# Altium PCB betrusted_dvt1b-dfm.PcbDoc (part 4 of 6)
Units mm, origin at the board's own origin, x right, y up, seen from the top; angles counter-clockwise.
Board outline 62.8 x 53.83 mm, 6 copper layers (L1, L2, L3, L6, L7, L8), stack 0.693 mm thick; 407 components, 299 nets, 1950 pads, 2038 vias.
Unrouted connection lines stored in the file: 1.
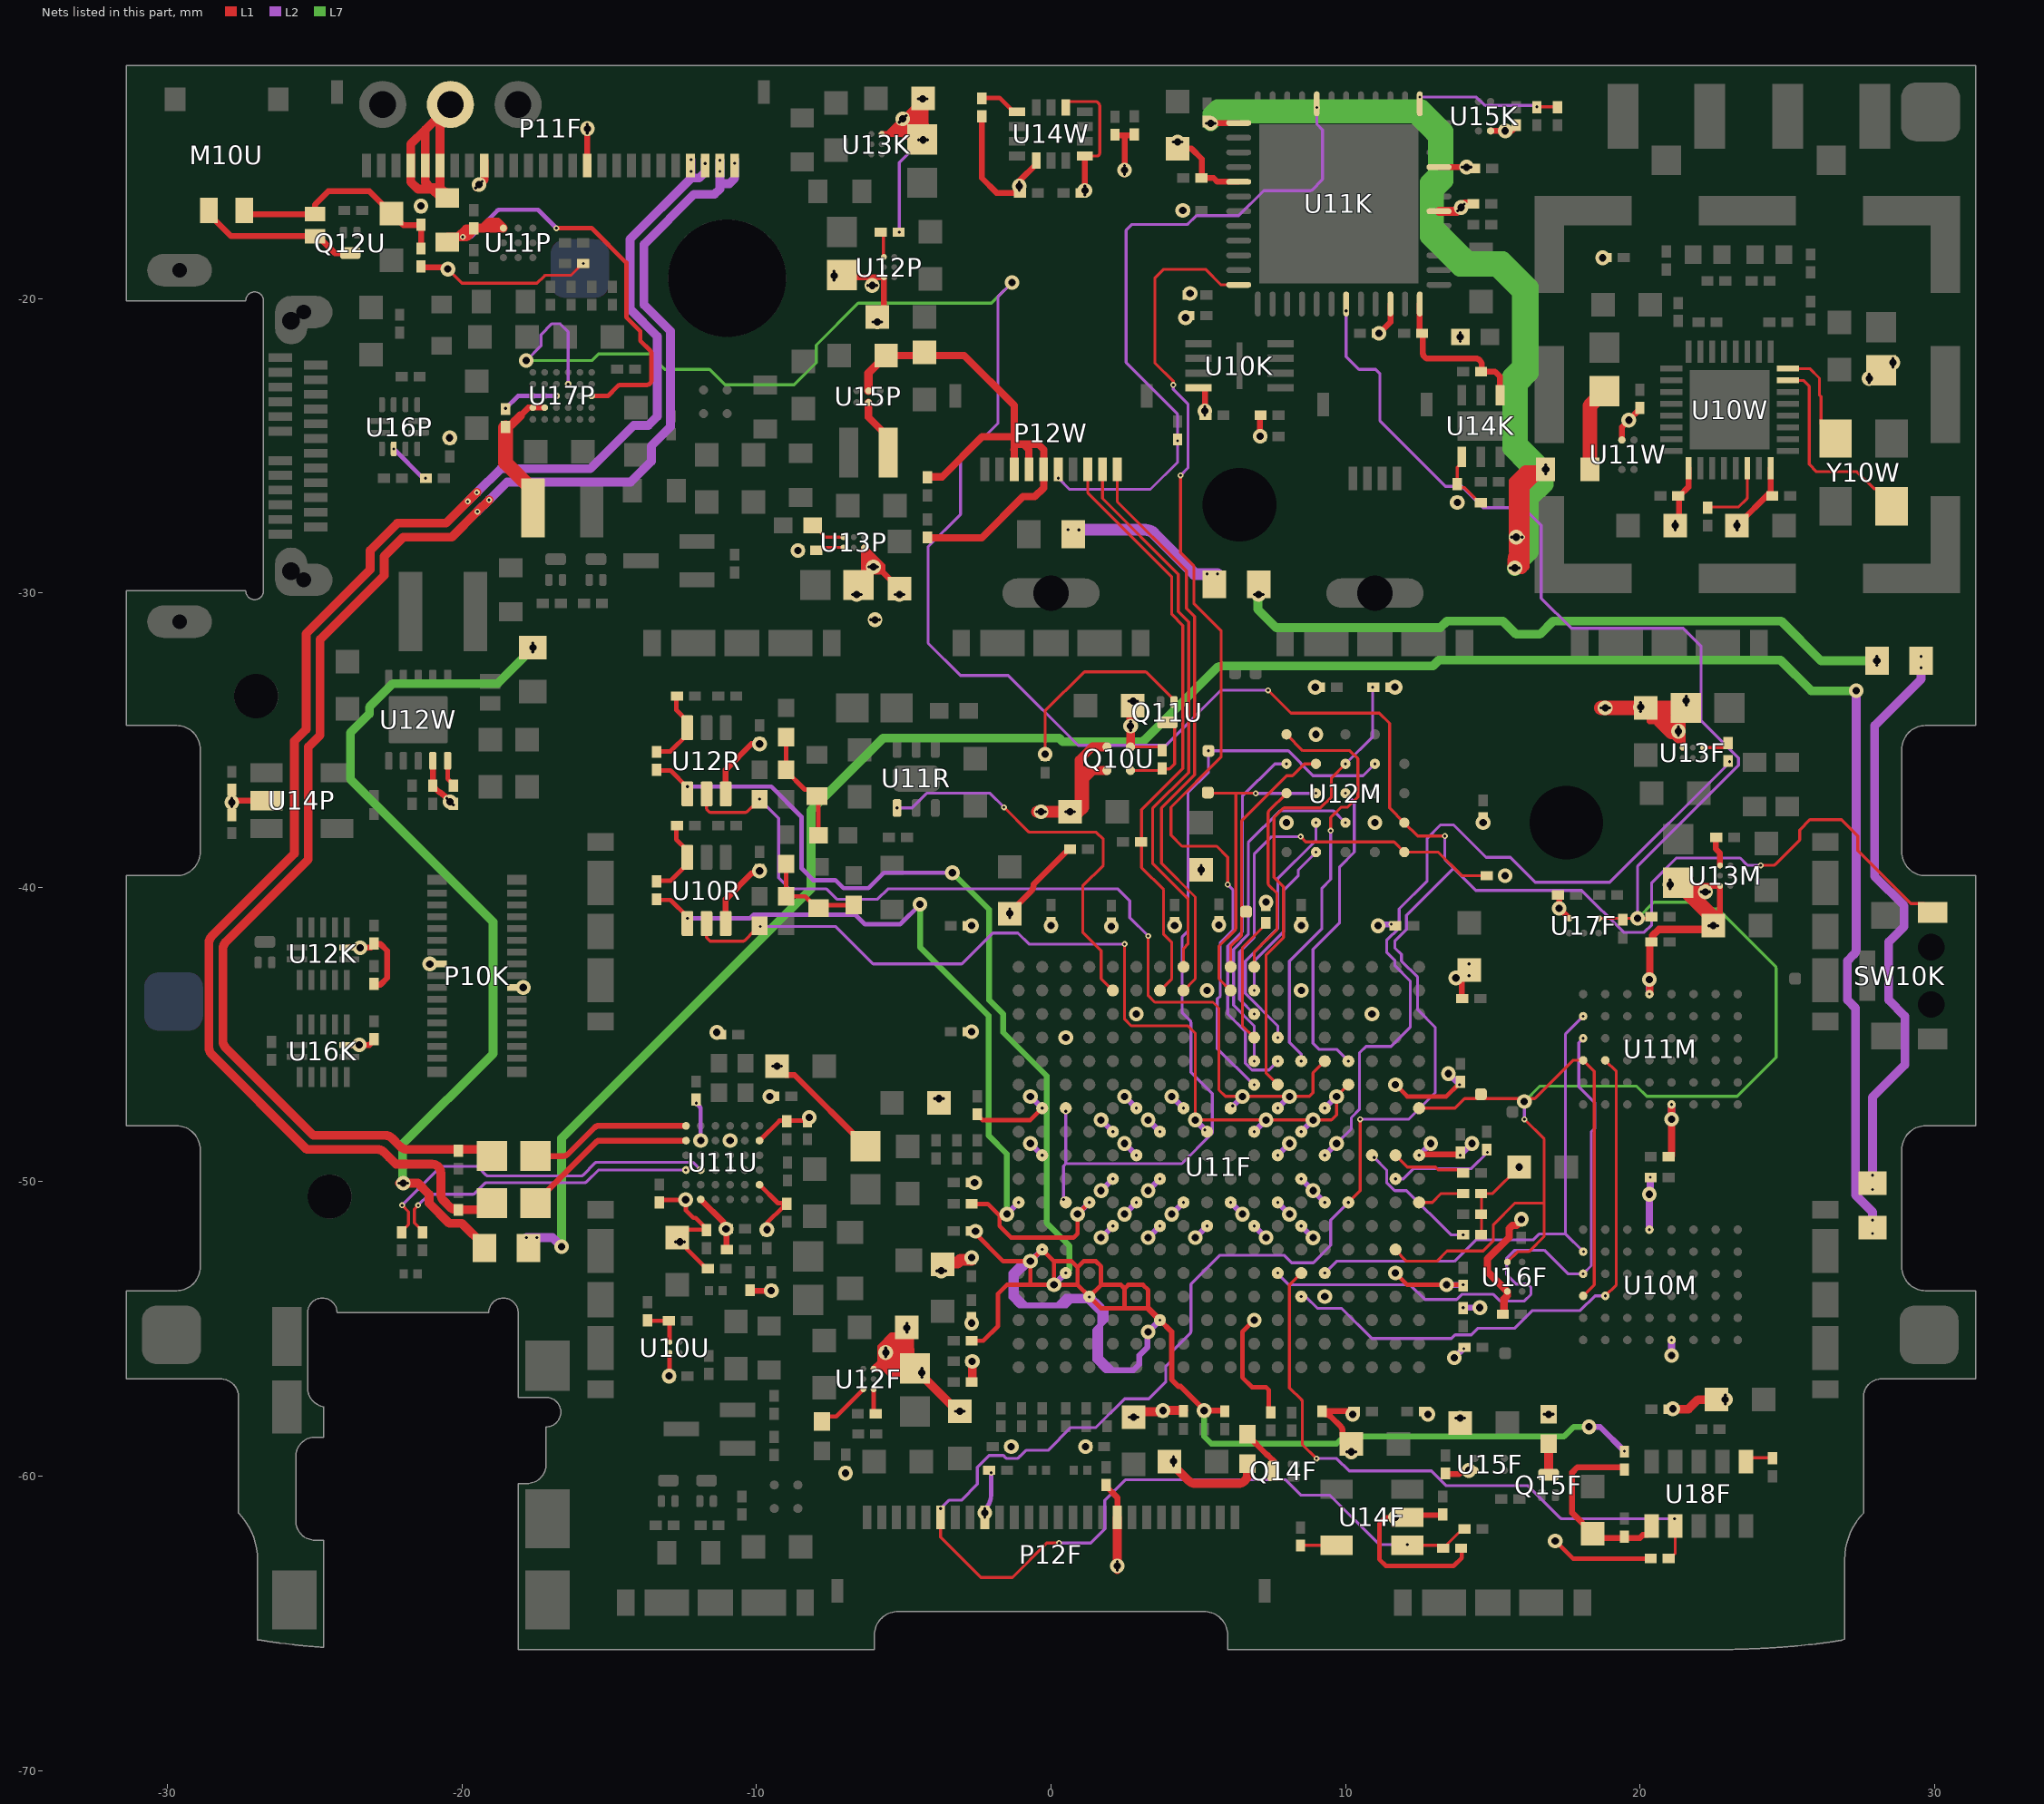
[diagram p8: the nets of this part, all layers, seen from the top]

## Via types
v1: diameter 0.2, hole 0.1, L1 to L2, tented both sides, 1324 vias
v2: diameter 0.5, hole 0.25, L2 to L7, tented both sides, 638 vias
v3: diameter 0.2, hole 0.1, L7 to L8, tented both sides, 44 vias
v4: diameter 0.5, hole 0.25, L1 to L8, 25 vias
v5: diameter 0.5, hole 0.2, L1 to L8, 4 vias
v6: diameter 0.4, hole 0.25, L1 to L8, 2 vias
v7: diameter 0.2, hole 0.1, L1 to L2, tented bottom, 1 vias

## Nets (pads, with @x,y where several pads share a name; then routed paths per layer and width w, separated by ;. In a path a pad name is that pad's centre, name@x,y a point inside that pad or via, vN(x,y) a via of type N, cw(c..) or ccw(c..) an arc to the next point about the centre after c; other vN are vias at no path point) (continued)
LCD_DISP: C28W.1 P12W.6 U11K.44 | length 23.1
  L2 w0.1: v1(0.25,-26.1) 0.625,-26.475 3.375,-26.475 4.3,-25.55 v1(4.3,-24.825) 4.3,-23.966 ccw(c4.2,-23.966) 4.27,-23.895 2.579,-22.204 cw(c2.65,-22.134) 2.55,-22.134 2.55,-17.675 2.75,-17.475 4.597,-17.475 ccw(c4.597,-17.375) 4.667,-17.446 4.909,-17.204 cw(c4.98,-17.275) 4.979,-17.175 ; 4.98,-17.175 6.375,-17.175 7.196,-16.354 cw(c7.266,-16.425) 7.266,-16.325 8.809,-16.325 ccw(c8.809,-16.225) 8.879,-16.296 9.196,-15.979 ccw(c9.125,-15.909) 9.225,-15.909 9.225,-14.264 9.032,-14.071 v1(9.032,-13.504)
LCD_SCLK: P12W.10 U11F.H17 | length 19.6
  L1 w0.1: P12W.10@2.25,-26.1 2.25,-26.893 4.6,-29.243 4.6,-30.518 4.875,-30.793 4.875,-36.177 3.75,-37.302 3.75,-39.175 4.9,-40.325 4.9,-43.1 U11F.H17@4.5,-43.5
LCD_SCS: P12W.8 R14W.2 U11F.G17 | length 19.9
  L1 w0.1: P12W.8@1.25,-26.1 1.25,-26.6 4.1,-29.45 4.1,-30.725 4.475,-31.1 4.475,-35.961 3.075,-37.361 3.075,-38.45 3.075,-39.325 3.825,-40.075 3.825,-41.6 4.1,-41.875 4.1,-43.1 U11F.G17@3.7,-43.5
LCD_SI: P12W.9 U11F.H18 | length 18.9
  L1 w0.1: P12W.9@1.75,-26.1 1.75,-26.782 4.325,-29.357 4.325,-30.632 4.675,-30.982 4.675,-36.094 3.45,-37.319 3.45,-39.175 4.65,-40.375 4.65,-41.925 4.5,-42.075 U11F.H18@4.5,-42.7
LS+: L10U.1 U11U.F1 | length 5.5
  L1 w0.2: L10U.1@-17.515,-49.125 -16.558,-49.125 ccw(c-16.558,-48.925) -16.416,-49.066 -15.509,-48.159 cw(c-15.367,-48.3) -15.369,-48.1 -15.367,-48.1 U11U.F1@-12.4,-48.1
LS-: L11U.1 U11U.F2 | length 5.4
  L1 w0.2: L11U.1@-17.515,-50.55 L11U.1@-17.51,-50.55 ; L11U.1@-17.075,-50.275 -16.972,-50.172 -15.459,-48.659 cw(c-15.317,-48.8) -15.318,-48.6 ; -15.317,-48.6 U11U.F2@-12.4,-48.6
MICBIAS: C11U.1 R13U.2 U10U.A2 | length 1.4
  L1 w0.15: R13U.2@-13.7,-54.725 -13,-54.725 -12.956,-54.769 -12.956,-55.444 U10U.A2@-12.95,-55.45
MICIN+: C16U.2 U11U.F4 | length 10.6
  L1 w0.1: v1(-21.495,-50.8) -21.625,-50.93 -21.625,-51.4 -21.35,-51.675 C16U.2@-21.35,-51.7 ; v1(-12.409,-49.6) U11U.F4@-12.4,-49.6
  L2 w0.1: v1(-21.495,-50.8) -21.12,-50.425 -19.642,-50.425 ccw(c-19.642,-50.325) -19.572,-50.396 -19.234,-50.058 cw(c-19.164,-50.129) -19.164,-50.029 -15.845,-50.029 ccw(c-15.845,-49.929) -15.775,-50 -15.375,-49.6 v1(-12.409,-49.6)
MICIN-: C19U.2 U11U.E4 | length 12.2
  L1 w0.1: C19U.2@-22.05,-51.7 -22.05,-51.675 -21.825,-51.45 -21.825,-51.018 v1(-22.043,-50.8)
  L2 w0.1: v1(-22.043,-50.8) -20.718,-49.475 -19.526,-49.475 cw(c-19.526,-49.575) -19.455,-49.505 -19.187,-49.773 ccw(c-19.116,-49.702) -19.116,-49.802 -15.969,-49.802 ccw(c-15.969,-49.702) -15.897,-49.772 -15.492,-49.367 cw(c-15.421,-49.438) -15.421,-49.338 -12.204,-49.338 cw(c-12.204,-49.438) -12.133,-49.367 v1(-11.9,-49.6)
NetC32P_1: C32P.1 L14P.1 U17P.A2 U17P.B2 | length 4.5
  L1 w0.2: -18.025,-23.975 -17.75,-23.7 U17P.A2@-17.6,-23.7 U17P.B2@-17.2,-23.7
  L1 w0.3: -18.338,-24.288 -18.209,-24.159 -18.025,-23.975
  L1 w0.5: C32P.1@-18.525,-24.375 -18.525,-25.575 -17.6,-26.5 L14P.1@-17.6,-27.1
NetC32P_2: C32P.2 U17P.C3 | length 1.9
  L2 w0.15: v1(-18.525,-23.725) -18.1,-23.3 v1(-16.8,-23.3)
NetC33U_2: C33U.2 D10U.2 M10U.1 R12U.1 R14U.2 | length 7.8
  L1 w0.2: M10U.1@-27.4,-17 -27.275,-17.125 D10U.2@-25,-17.125 -25,-16.8 -24.55,-16.35 -23.15,-16.35 C33U.2@-22.4,-17.1 -22,-17.5 -21.4,-17.5 R12U.1@-21.4,-18.275
NetD10U_1: D10U.1 M10U.2 Q12U.3 | length 5.5
  L1 w0.2: M10U.2@-28.6,-17 -28.6,-17.125 -27.85,-17.875 D10U.1@-25,-17.875 -24.9,-17.875 -24.325,-18.45 Q12U.3@-23.8,-18.45
NetD11W_2: D11W.2 D12W.1 | length 30.1
  L1 w0.3: v1@-22.125,-50.05 -21.5,-50.05 -21.125,-50.425 -21.125,-50.725 -20.44,-51.41 -20.015,-51.41 -19.25,-52.175 D12W.1@-19.25,-52.25
  L7 w0.3: v2@-22.026,-50.05 -22.026,-48.726 -18.95,-45.65 -18.95,-41.175 -23.8,-36.325 -23.8,-34.75 -23.15,-34.1 -23.15,-33.875 -22.35,-33.075 -18.8,-33.075 v2@-17.575,-31.85
  other v1: -22.151,-50.05 -21.851,-50.05 -17.6,-32 -17.6,-31.7
  other v2: -22.001,-50.05 -17.6,-31.85
NetD12W_2: D12W.2 D13W.1 | length 76.7
  L2 w0.3: v1(-17.817,-51.896) -16.929,-51.896 v2(-16.625,-52.2) ; v2(27.35,-33.319) 27.35,-42.076 cw(c27.05,-42.076) 27.262,-42.288 27.05,-42.5 27.05,-43.825 27.325,-44.1 27.325,-50.45 27.9,-51.025 v1(27.9,-51.3) 27.904,-51.304 v1(27.904,-51.759)
  L7 w0.3: v2(-16.625,-52.2) -16.625,-48.525 -8.15,-40.05 -8.15,-37.375 -5.7,-34.925 0.275,-34.925 0.4,-35.05 2.995,-35.05 ccw(c2.995,-34.75) 3.207,-34.962 5.607,-32.563 cw(c5.819,-32.775) 5.819,-32.475 12.975,-32.475 13.175,-32.275 24.775,-32.275 25.819,-33.319 v2(27.35,-33.319)
  other v1: -17.464,-51.894
NetD13W_2: D13W.2 D14W.1 | length 20.1
  L2 w0.3: v1(27.901,-50.263) v1(27.9,-49.775) v1(27.9,-49.775) 27.9,-47.125 29,-46.025 29,-44.375 28.45,-43.825 28.45,-41.85 28.975,-41.325 28.975,-40.625 27.975,-39.625 27.975,-34.5 29.55,-32.925 v1(29.55,-32.15)
  other v1: 29.55,-32.537
NetD14W_2: D14W.2 D15W.1 | length 22.8
  L7 w0.3: v2@7.025,-30.05 7.025,-30.551 7.649,-31.175 13.225,-31.175 13.45,-30.95 15.35,-30.95 15.8,-31.4 16.603,-31.4 17.053,-30.95 24.8,-30.95 26.15,-32.3 v2(28.05,-32.3)
  other v1: 28.05,-32.45 28.05,-32.15 6.9,-30.05 7.2,-30.05
  other v2: 7.05,-30.05
NetD15W_2: D15W.2 D16W.1 | length 5.7
  L2 w0.4: v1@0.574,-27.85 v1(0.95,-27.85) 3.209,-27.85 cw(c3.209,-28.25) 3.492,-27.967 4.875,-29.35 v1(5.3,-29.35) v1@5.65,-29.35
  other v1: 5.652,-29.351 0.574,-27.848
NetL13P_2: L13P.2 U15P.B1 | length 2
  L1 w0.25: U15P.B1@-6.2,-23.525 -6.2,-24.025 -5.525,-24.7 L13P.2@-5.525,-25.225
NetQ10U_1: Q10U.1 Q11U.3 R10U.1 | length 3.2
  L1 w0.1: Q10U.1@2.7,-36.025 3.725,-36.025 3.775,-35.975 4.025,-35.975 4.2,-35.8 4.2,-34.546 4.054,-34.4 Q11U.3@3.95,-34.4
NetQ14F_3: Q14F.3 R20F.1 | length 1.3
  L1 w0.2: R20F.1@6.675,-58.575 6.675,-58.615 7.297,-59.237 7.298,-59.238 ccw(c7.438,-59.096) 7.313,-59.252 7.371,-59.298 cw(c7.247,-59.454) 7.389,-59.314 7.599,-59.524 cw(c7.458,-59.666) Q14F.3@7.6,-59.525
NetQ15F_3: Q15F.3 R21F.1 | length 1.1
  L1 w0.3: Q15F.3@16.9,-59.95 R21F.1@16.9,-58.9
NetR10R_2: R10R.2 R14R.2 U10R.3 | length 2.7
  L1 w0.15: R10R.2@-13.4,-39.775 -12.925,-39.775 -12.35,-39.2 U10R.3@-12.35,-38.975 -12.35,-38.75 -12.725,-38.375 R14R.2@-12.725,-37.9
NetR11F_1: R11F.1 U12F.C1 | length 1.7
  L1 w0.15: R11F.1@-7.725,-57.975 -7.3,-57.975 U12F.C1@-6.375,-57.05
NetR11P_2: R11P.2 U16P.4 | length 1.5
  L2 w0.15: v1(-22.325,-25.1) -21.335,-26.09 -21.26,-26.09 v1(-21.25,-26.1)
NetR11W_1: R11W.1 U10W.30 | length 2.5
  L1 w0.1: R11W.1@22.3,-27.075 23.35,-27.075 23.621,-26.804 ccw(c23.55,-26.734) 23.65,-26.734 23.65,-26.4 U10W.30@23.65,-25.755
NetR12F_1: R12F.1 U12F.C2 | length 0.9
  L1 w0.15: R12F.1@-6.025,-57.925 U12F.C2@-6.025,-57.05
NetR12W_1: R12W.1 U14W.1 | length 1.4
  L1 w0.15: R12W.1@-2.35,-13.175 -1.75,-13.175 -1.275,-13.65 U14W.1@-1.15,-13.65
NetR13F_1: R13F.1 U11F.V8 | length 1.6
  L1 w0.1: U11F.V8@12.5,-50.7 12.95,-50.7 13.25,-50.4 R13F.1@13.975,-50.4
NetR14M_2: R14M.2 U13M.C2 | length 1
  L1 w0.2: R14M.2@22.575,-38.3 22.575,-38.687 22.725,-38.837 U13M.C2@22.725,-39.25
NetR15R_2: R15R.2 R19R.2 U12R.3 | length 2.7
  L1 w0.15: R15R.2@-13.4,-35.375 -12.925,-35.375 -12.35,-34.8 U12R.3@-12.35,-34.575 -12.35,-34.35 -12.725,-33.975 R19R.2@-12.725,-33.5
NetR15W_2: R15W.2 U12W.5 | length 0.9
  L1 w0.15: U12W.5@-20.496,-35.7 -20.496,-36.304 -20.3,-36.5 R15W.2@-20.3,-36.525
NetR16F_2: R16F.2 U13F.C2 | length 0.9
  L1 w0.1: U13F.C2@22.15,-35.25 22.85,-35.25 23,-35.1 R16F.2@23,-35.075
NetR16K_2: R16K.2 R17K.2 U14K.4 | length 2
  L1 w0.1: U14K.4@13.95,-25.375 13.95,-25.575 13.8,-25.725 13.8,-26.275 13.8,-26.3 13.91,-26.41 14.035,-26.41 14.55,-26.925 R17K.2@14.575,-26.925
NetR17F_2: R17F.2 U11F.U9 | length 3.5
  L2 w0.1: v1(11.7,-49.9) 11.964,-49.9 12.314,-49.55 14.275,-49.55 v1(14.825,-49)
NetR18F_2: R18F.2 U11F.U10 | length 2.5
  L1 w0.1: U11F.U10@11.7,-49.1 12.1,-49.5 13.062,-49.5 13.152,-49.59 13.865,-49.59 R18F.2@13.975,-49.7
NetR19F_2: R19F.2 U11F.T10 | length 4.4
  L2 w0.1: v1(10.975,-49.175) 11.4,-49.6 11.4,-50.025 11.675,-50.3 12.075,-50.3 13.575,-51.8 v1(14,-51.8)
NetR19P_2: R19P.2 U12P.C2 | length 0.9
  L1 w0.1: R19P.2@-5.69,-17.635 -5.69,-18.56 U12P.C2@-5.675,-18.575
NetR21P_2: R21P.2 U13P.C2 | length 0.9
  L1 w0.1: R21P.2@-7.95,-28.55 -7.85,-28.45 U13P.C2@-7.05,-28.45
NetR22F_1: R22F.1 U11F.L15 | length 4.4
  L1 w0.1: U11F.L15@6.9,-45.1 6.5,-44.7 6.5,-42.05 7.3,-41.25 R22F.1@7.3,-41.225
NetR23P_1: R23P.1 U13P.C1 | length 1.2
  L1 w0.1: R23P.1@-8.1,-27.7 -8.06,-27.7 -7.66,-28.1 U13P.C1@-7.05,-28.1
NetU10W_7: U10W.7 Y10W.3 | length 6.9
  L1 w0.1: U10W.7@25.03,-22.775 25.55,-22.775 25.75,-22.975 25.75,-25.625 26,-25.875 27.375,-25.875 27.95,-26.45 28.05,-26.45 28.55,-26.95 Y10W.3@28.55,-27.05
NetU10W_8: U10W.8 Y10W.1 | length 3.5
  L1 w0.1: U10W.8@25.03,-22.375 25.775,-22.375 26.1,-22.7 26.1,-23.275 26.15,-23.325 26.15,-24.25 Y10W.1@26.65,-24.75
NOISE0: R15R.1 U11F.C5 U12R.4 | length 29.6
  L1 w0.15: R15R.1@-13.4,-36.025 -12.925,-36.025 -12.35,-36.6 U12R.4@-12.35,-36.825
  L2 w0.15: v1(-12.35,-36.575) -9.5,-36.575 -8.475,-37.6 -8.475,-39.35 -8.075,-39.75 -7.325,-39.75 -7.05,-40.025 -6.2,-40.025 -5.675,-39.5 v2(-3.35,-39.5)
  L2 w0.2: v2(0.1,-53.5) v1(0.5,-53.1)
  L7 w0.2: v2(-3.35,-39.5) -2.1,-40.75 -2.1,-43.825 -1.625,-44.3 -1.625,-44.925 -0.15,-46.4 -0.15,-51.4 0.625,-52.175 0.625,-52.975 v2(0.1,-53.5)
NOISE1: R10R.1 U10R.4 U11F.A8 | length 22.2
  L1 w0.15: R10R.1@-13.4,-40.425 -12.925,-40.425 -12.35,-41 U10R.4@-12.35,-41.225
  L2 w0.15: v1(-12.35,-41.05) -10.225,-41.05 -10.1,-40.925 -6.65,-40.925 -6.325,-41.25 -5.125,-41.25 v2(-4.45,-40.575)
  L2 w0.2: v2(-1.5,-51.1) v1(-1.1,-50.7)
  L7 w0.2: v2(-4.45,-40.575) -4.45,-42.025 -2.125,-44.35 -2.125,-48.425 -1.5,-49.05 v2(-1.5,-51.1)
NOISE_ON0: R17R.2 U11F.P14 U12R.5 | length 31.5
  L1 w0.1: U12R.5@-11.7,-36.825 -11.7,-37.309 ccw(c-11.6,-37.309) -11.671,-37.379 -11.629,-37.421 ccw(c-11.559,-37.35) -11.559,-37.45 -10.391,-37.45 ccw(c-10.391,-37.35) -10.321,-37.421 -10.165,-37.265 -10.125,-37.265 -9.9,-37.04 v1(-9.9,-37) ; v1(3.3,-41.65) 3.3,-43.675 3.525,-43.9 5.5,-43.9 5.7,-44.1 5.7,-46.875 5.925,-47.1 8.775,-47.1 8.9,-46.975 8.9,-46.3 U11F.P14@9.3,-45.9
  L2 w0.1: v1(-9.9,-37) -9.25,-37.65 -9.25,-39.675 -8.904,-40.021 ccw(c-8.834,-39.95) -8.834,-40.05 -7.625,-40.05 -7.275,-40.4 -5.888,-40.4 -5.538,-40.05 2.275,-40.05 2.675,-40.45 2.675,-41.025 v1(3.3,-41.65)
NOISE_ON1: R12R.2 U10R.5 U11F.R13 | length 30.1
  L1 w0.1: U10R.5@-11.7,-41.225 -11.7,-41.7 -11.575,-41.825 -10.466,-41.825 ccw(c-10.466,-41.725) -10.396,-41.796 -10.079,-41.479 R12R.2@-9.9,-41.3 ; v1(2.5,-41.925) 2.5,-44.475 2.725,-44.7 4.65,-44.7 4.9,-44.95 4.9,-47.7 5.1,-47.9 9.525,-47.9 9.7,-47.725 9.7,-47.1 U11F.R13@10.1,-46.7
  L2 w0.1: v1(-9.875,-41.325) -7.325,-41.325 -6.079,-42.571 ccw(c-6.009,-42.5) -6.009,-42.6 -3.066,-42.6 ccw(c-3.066,-42.5) -2.996,-42.571 -1.975,-41.55 -1.125,-41.55 -0.75,-41.925 v1(2.5,-41.925)
NOISEBIAS_ON: U11F.E17 U11R.1 | length 13.7
  L1 w0.1: v1(-1.6,-37.275) -0.779,-38.096 ccw(c-0.709,-38.025) -0.709,-38.125 1.537,-38.125 1.775,-38.363 1.775,-39.25 1.075,-39.95 1.075,-41.525 1.7,-42.15 1.7,-43.1 U11F.E17@2.1,-43.5
  L2 w0.1: v1(-5.23,-37.3) -4.725,-37.3 -4.225,-36.8 -2.075,-36.8 v1(-1.6,-37.275)
NPN_NOISE0: C15R.1 C16R.2 D11R.2 R16R.1 | length 3.8
  L1 w0.15: C16R.2@-9,-34.9 C15R.1@-9,-36 -9,-36.04 -8.365,-36.675 -8.125,-36.675 -7.9,-36.9 R16R.1@-7.9,-38.1
NPN_NOISE1: C10R.1 C11R.2 D10R.2 R11R.1 | length 3.6
  L1 w0.15: C11R.2@-9,-39.2 C10R.1@-9,-40.3 -8.35,-40.3 -7.95,-40.7 -7.85,-40.6 R11R.1@-6.7,-40.6
OPT_PIN: R23K.2 R24K.2 U11K.37 | length 4.8
  L1 w0.1: v1(16.5,-13.475) R24K.2@17.2,-13.475
  L2 w0.1: v1(12.525,-13.15) 14.45,-13.15 14.704,-13.404 ccw(c14.774,-13.333) 14.774,-13.433 16.416,-13.433 cw(c16.416,-13.533) 16.487,-13.462 v1(16.5,-13.475)
P0.95V_T: C16F.1 C19F.1 C20F.1 C21F.1 C22F.2 C23F.1 C24F.1 C25F.1 C26F.1 C27F.2 C28F.1 C60F.1 C61F.1 L12F.2 R16F.1 R20F.2 U11F.E7 U11F.E9 U11F.E11 U11F.F8 U11F.F10 U11F.G7 U11F.G9 U11F.G11 U11F.H8 U11F.J7 U11F.J11 U11F.K8 U11F.L7 U11F.L11 U11F.M8 U11F.M10 U11F.N7 U11F.N9 U11F.N11 U11F.P8 U11F.P10 U12F.A2 | length 56
  L1 w0.15: 4.1,-57.71 4.155,-57.765
  L1 w0.2: -5.805,-56.08 -5.805,-55.605 -5.41,-55.21 C16F.1@-5.16,-55.21 ; C16F.1@-4.9,-54.95 C16F.1@-5.16,-55.21 ; L12F.2@-4.81,-56.525 -5.467,-56.525 -5.642,-56.35 ; L12F.2@-4.635,-56.35 -5.642,-56.35 ; L12F.2@-4.535,-56.685 L12F.2@-4.35,-56.5 ; -5.819,-56.144 -5.612,-55.937 -5.612,-55.662 -5.375,-55.425 C16F.1@-5.16,-55.21 ; -5.819,-56.144 U12F.A2@-6.025,-56.35 -5.642,-56.35 ; -5.819,-56.144 -5.819,-56.173 -5.642,-56.35
  L1 w0.3: L12F.2@-4.625,-56.34 -4.625,-56.345 -4.482,-56.488 -4.41,-56.56 -4.336,-56.634 -3.42,-57.55 -3.35,-57.55 v2(-3.1,-57.8) ; C27F.2@-2.675,-56.8 v2(-2.675,-56.1) ; v2(2.8,-58) 2.99,-57.81 3.79,-57.81 3.8,-57.8 v2(3.8,-57.775) 3.81,-57.765 4.155,-57.765 C25F.1@4.5,-57.765 ; C20F.1@4.025,-59.5 4.687,-60.162 ; 4.688,-60.163 ccw(c4.899,-59.95) 4.899,-60.25 6.366,-60.25 ccw(c6.366,-59.95) 6.579,-60.162 6.587,-60.154 ccw(c6.375,-59.941) 6.675,-59.941 R20F.2@6.675,-59.575
  L1 w0.4: C19F.1@-3.675,-52.95 -3.475,-52.75 -3.175,-52.75 -3.075,-52.65 C60F.1@-2.7,-52.65
  L1 w0.5: -5.375,-55.425 -5.375,-55.975 -5.575,-56.175 -4.885,-56.175 L12F.2@-4.885,-56.08 ; C16F.1@-4.9,-54.95 -4.9,-55.7 -4.885,-55.715 L12F.2@-4.885,-56.08 ; L12F.2@-4.625,-56.34 L12F.2@-4.885,-56.08
  L2 w0.1: v2(9.7,-48.7) 10.2,-48.2 10.2,-47.825 10.475,-47.55 10.475,-45.625 10.7,-45.4 11.55,-45.4 12.2,-44.75 12.2,-43.175 11.675,-42.65 11.675,-42.475 11.4,-42.2 11.4,-41.8 11.825,-41.375 11.825,-40.725 12.775,-39.775 12.775,-38.325 13.225,-37.875 13.675,-37.875 14.775,-38.975 15.6,-38.975 16.45,-39.825 18.975,-39.825 v1@23.05,-35.75
  L2 w0.2: v2(1.7,-51.9) v1(2.1,-51.5) ; v2(1.7,-50.3) v1(2.1,-49.9) ; v2(1.7,-47.9) v1(2.1,-48.3) ; v2(2.5,-51.1) v1(2.9,-50.7) ; v2(2.5,-48.7) v1(2.9,-49.1) ; v2(3.3,-51.9) v1(3.7,-51.5) ; v2(3.3,-50.3) v1(3.7,-49.9) ; v2(3.3,-47.9) v1(3.7,-48.3) ; v2(4.1,-51.1) v1(4.5,-50.7) ; v2(4.9,-51.9) v1(5.3,-51.5) ; v2(4.9,-47.9) 5.225,-48.225 v1(5.225,-48.236) ; v1(6.1,-50.7) v2(6.5,-51.1) ; v1(6.9,-51.5) v2(7.3,-51.9) ; v1(6.9,-48.3) v2(7.3,-47.9) ; v1(7.7,-50.7) v2(8.1,-51.1) ; v1(7.7,-49.1) v2(8.1,-48.7) ; v1(8.5,-51.5) v2(8.9,-51.9) ; v1(8.5,-49.9) v2(8.9,-50.3) v1(9.3,-50.7) ; v1(8.5,-48.3) v2(8.9,-47.9) ; v1(9.3,-49.1) v2(9.7,-48.7)
  other v1: 4.16,-59.64 4.16,-59.34 -1.35,-59 1.175,-59 2.65,-58 2.95,-58 -3.25,-57.8 -2.95,-57.8 3.8,-57.775 -4.387,-56.642 -4.387,-56.342 -2.675,-56.1 -5.612,-55.95 -5.612,-55.65 -4.894,-55.11 -4.894,-54.81 -2.7,-54.8 -3.875,-53.025 -3.575,-53.025 -2.7,-52.575 23.05,-35.725
  other v2: 4.16,-59.49 -1.35,-59 1.175,-59 -4.387,-56.492 -5.612,-55.8 -4.894,-54.96 -2.7,-54.8 -3.725,-53.025 -2.7,-52.575
P1.2V: C11K.1 C12K.1 C13K.1 C22K.1 L10K.2 R12K.2 R19P.1 U11K.5 U11K.30 U13K.A2 | length 15.2
  L1 w0.1: L10K.2@-4.375,-14.59 L10K.2@-4.24,-14.725
  L1 w0.2: U13K.A2@-5.75,-14.4 -5.55,-14.4 ; L10K.2@-4.35,-14.08 -4.35,-14.565 -4.362,-14.578 L10K.2@-4.375,-14.59 -4.565,-14.4 -4.917,-14.4 -5.55,-14.4 ; C22K.1@-4.35,-13.2 -4.362,-13.212 -5.55,-14.4 ; C11K.1@4.3,-14.9 4.775,-14.9 5.125,-15.25 5.125,-15.9 5.523,-15.9 5.651,-16.027 U11K.5@6.376,-16.027
  L1 w0.3: U11K.30@13.176,-17.027 13.798,-17.027 14.054,-16.771 C12K.1@14.322,-16.771
  L1 w0.4: -5.25,-14.3 -5.225,-14.275 -5.2,-14.275 -5.15,-14.225 -5.125,-14.225 -4.552,-13.652 ; -4.917,-14.4 -4.552,-14.035 -4.552,-13.652 ; L10K.2@-4.518,-14.248 L10K.2@-4.362,-14.092 ; L10K.2@-4.362,-14.578 L10K.2@-4.362,-14.092 ; C22K.1@-4.362,-13.212 -4.362,-13.652 ; L10K.2@-4.35,-14.08 L10K.2@-4.362,-14.092 ; -4.552,-13.652 -4.362,-13.652 ; L10K.2@-4.362,-14.092 -4.362,-13.652
  L2 w0.1: v1(-5.154,-17.739) -5.154,-15.369 v2@-4.375,-14.59
  other v1: 13.9,-21.45 13.9,-21.15 13.812,-17.013 14.039,-16.786 4.15,-14.675 4.45,-14.675 -4.496,-14.604 -4.196,-14.604 -5.151,-14.001 -4.925,-13.775 -4.506,-13.206 -4.206,-13.206
  other v2: 13.9,-21.3 13.926,-16.899 4.3,-14.675 -4.346,-14.604 -5.038,-13.888 -4.356,-13.206
P1.8V: C10K.1 C14K.1 C14W.1 C17K.1 C20P.1 C21W.1 C22W.1 C23W.1 C24W.1 C26P.1 C27K.1 C31W.1 C32W.1 C33W.1 C37F.2 L11P.2 L12W.2 P10K.7 P11F.16 P12F.9 R10K.2 R10W.1 R11K.1 R12U.2 R12W.2 R15W.1 R16K.1 R18K.2 R18P.1 R19K.2 R20K.2 R21K.1 R21P.1 R22K.1 R22P.2 R34P.2 U10K.8 U10W.25 U10W.32 U11K.22 U11K.33 U11W.3 U12P.A2 U12W.4 U14P.2 U14W.5 U14W.8 U14W.12 U15K.3 | length 39.2
  L1 w0.1: v1@-20.553,-18.925 v2(-20.486,-18.992) -20.003,-19.475 -17.457,-19.475 -17.222,-19.24 -17.221,-19.24 -17.181,-19.2 -16.3,-19.2 -15.9,-18.8 v1(-15.881,-18.8) R18P.1@-15.875,-18.8 ; U14W.12@0.5,-13.5 0.5,-13.4 0.571,-13.329 cw(c0.641,-13.4) 0.641,-13.3 1.512,-13.3 cw(c1.512,-13.4) 1.583,-13.33 1.624,-13.371 cw(c1.553,-13.441) 1.653,-13.441 1.653,-15.05 cw(c1.553,-15.05) 1.553,-15.15 U14W.8@1.15,-15.15
  L1 w0.2: C26P.1@-27.825,-37.525 R22P.2@-27.825,-36.7 ; v1@-27.8,-37.05 U14P.2@-26.65,-37.05 ; R12U.2@-21.4,-18.925 v1@-20.553,-18.925 ; C33W.1@-21,-36.545 ccw(c-20.842,-36.422) -20.984,-36.564 -20.823,-36.724 ccw(c-20.682,-36.583) -20.761,-36.766 cw(c-20.84,-36.95) -20.698,-36.809 ccw(c-20.555,-36.669) -20.671,-36.832 -20.646,-36.85 cw(c-20.761,-37.013) -20.611,-36.882 ccw(c-20.46,-36.75) -20.581,-36.909 cw(c-20.702,-37.068) -20.532,-36.963 v1(-20.526,-36.974) v1(-20.526,-36.974) ; C33W.1@-21,-36.525 -20.998,-36.523 -20.998,-35.702 U12W.4@-20.996,-35.7 ; v2(-20.425,-24.725) R34P.2@-20.415,-24.716 ; R15W.1@-20.3,-37.225 v1(-20.299,-37.2) ; P11F.16@-15.75,-15.3 v1@-15.75,-14.075 ; L11P.2@-7.1,-19.195 -7.02,-19.275 U12P.A2@-5.675,-19.275 -5.675,-20.4 C20P.1@-5.9,-20.625 ; R12W.2@-2.35,-13.825 -2.35,-15.9 -1.85,-16.4 -1.075,-16.4 -1.075,-16.349 -1.075,-16 -0.5,-15.425 U14W.5@-0.5,-15.3 ; C32W.1@1.05,-16.4 1.075,-16.4 v2(1.15,-16.325) v1(1.15,-16.175) U14W.8@1.15,-15.15 ; C37F.2@1.875,-60.325 1.875,-60.35 2.25,-60.725 P12F.9@2.25,-61.4 ; R19K.2@2.3,-14.45 R18K.2@2.675,-14.45 ; v1@2.5,-15.772 2.5,-15.478 2.5,-14.447 ; U10K.8@5.005,-23.025 5.2,-23.025 5.225,-23.05 5.225,-23.677 C10K.1@5.225,-23.95 ; v1(7.1,-24.675) R11K.1@7.1,-23.95 ; C14K.1@11.125,-21.175 v2(11.138,-21.175) 11.15,-21.175 11.526,-20.799 U11K.22@11.526,-20.177 ; U11K.33@13.176,-15.527 13.945,-15.527 14.308,-15.527 C17K.1@14.35,-15.569 ; U15K.3@14.93,-14.297 v2(15.427,-14.297) 15.653,-14.297 15.8,-14.15 C27K.1@15.8,-14.125 ; U11W.3@19.39,-24.8 19.39,-24.36 v1(19.624,-24.126) 20,-23.75 C14W.1@20,-23.725 ; v2(21.2,-27.7) 21.325,-27.575 21.325,-26.7 21.35,-26.7 21.65,-26.4 U10W.25@21.65,-25.755 ; v2(23.3,-27.7) 24.45,-26.55 U10W.32@24.45,-25.755
  L1 w0.3: v1@2.25,-63.175 P12F.9@2.25,-61.4
  other v1: 2.25,-63.2 2.25,-62.9 -17.925,-43.4 -27.825,-37.262 -27.825,-36.962 -8.6,-28.55 21.2,-27.85 23.3,-27.85 21.2,-27.55 23.3,-27.55 13.8,-26.925 -20.425,-24.725 5.225,-23.963 5.225,-23.663 27.79,-22.857 27.79,-22.557 28.596,-22.32 28.596,-22.02 11.138,-21.175 -6.054,-20.786 -5.754,-20.786 4.568,-20.641 4.724,-19.821 -6.225,-19.55 -5.925,-19.55 -7.369,-19.364 -7.369,-19.064 -20.486,-18.992 18.738,-18.61 4.475,-17 1.15,-16.475 -1.075,-16.324 -1.075,-16.024 2.5,-15.775 13.959,-15.531 14.259,-15.531 2.5,-15.475 -15.75,-14.371 15.427,-14.297 -15.75,-14.071
  other v2: 2.25,-63.05 -17.925,-43.4 -27.825,-37.112 -20.413,-37.087 -8.6,-28.55 13.8,-26.925 7.1,-24.675 19.624,-24.126 5.225,-23.813 27.79,-22.707 28.596,-22.17 -5.904,-20.786 4.568,-20.641 4.724,-19.821 -6.075,-19.55 -7.369,-19.214 18.738,-18.61 4.475,-17 -1.075,-16.174 2.5,-15.625 14.109,-15.531 -15.75,-14.221
P1.8V_SBY: C10M.1 C11M.1 C12M.1 C13M.1 C14M.1 C15M.2 C20M.1 L10M.2 R10M.1 R11M.1 U10M.D6 U10M.E1 U11M.D6 U11M.E1 U13M.A2 U16F.A2 U17F.A2 | length 21.7
  L1 w0.2: R10M.1@17.26,-40.31 v2(17.26,-40.71) ; v1@17.32,-40.77 v2(17.26,-40.71) ; U17F.A2@17.6,-41.05 v2(17.26,-40.71) ; L10M.2@21.3,-39.835 21.415,-39.95 U13M.A2@22.725,-39.95 C20M.1@22.725,-41.075
  L1 w0.25: C15M.2@15.325,-54.5 15.365,-54.5 15.385,-54.48 15.385,-53.98 15.5,-53.865 U16F.A2@15.5,-53.725 14.825,-53.05 14.825,-52.625 15.563,-51.887 15.563,-51.587 15.675,-51.475 15.815,-51.475 15.975,-51.315 v1(15.975,-51.275) ; v1(20.325,-43.625) 20.333,-43.617 20.333,-41.87 20.353,-41.85 20.375,-41.85 20.4,-41.85 20.435,-41.815 20.435,-41.64 20.65,-41.425 22.375,-41.425 v2(22.5,-41.3) ; C10M.1@21,-49.15 21.04,-49.15 21.075,-49.115 v1(21.075,-47.375) ; U10M.E1@21.067,-55.383 v1(21.075,-55.375)